# Altium PCB EVT_A.PcbDoc (part 1 of 2) (continued)
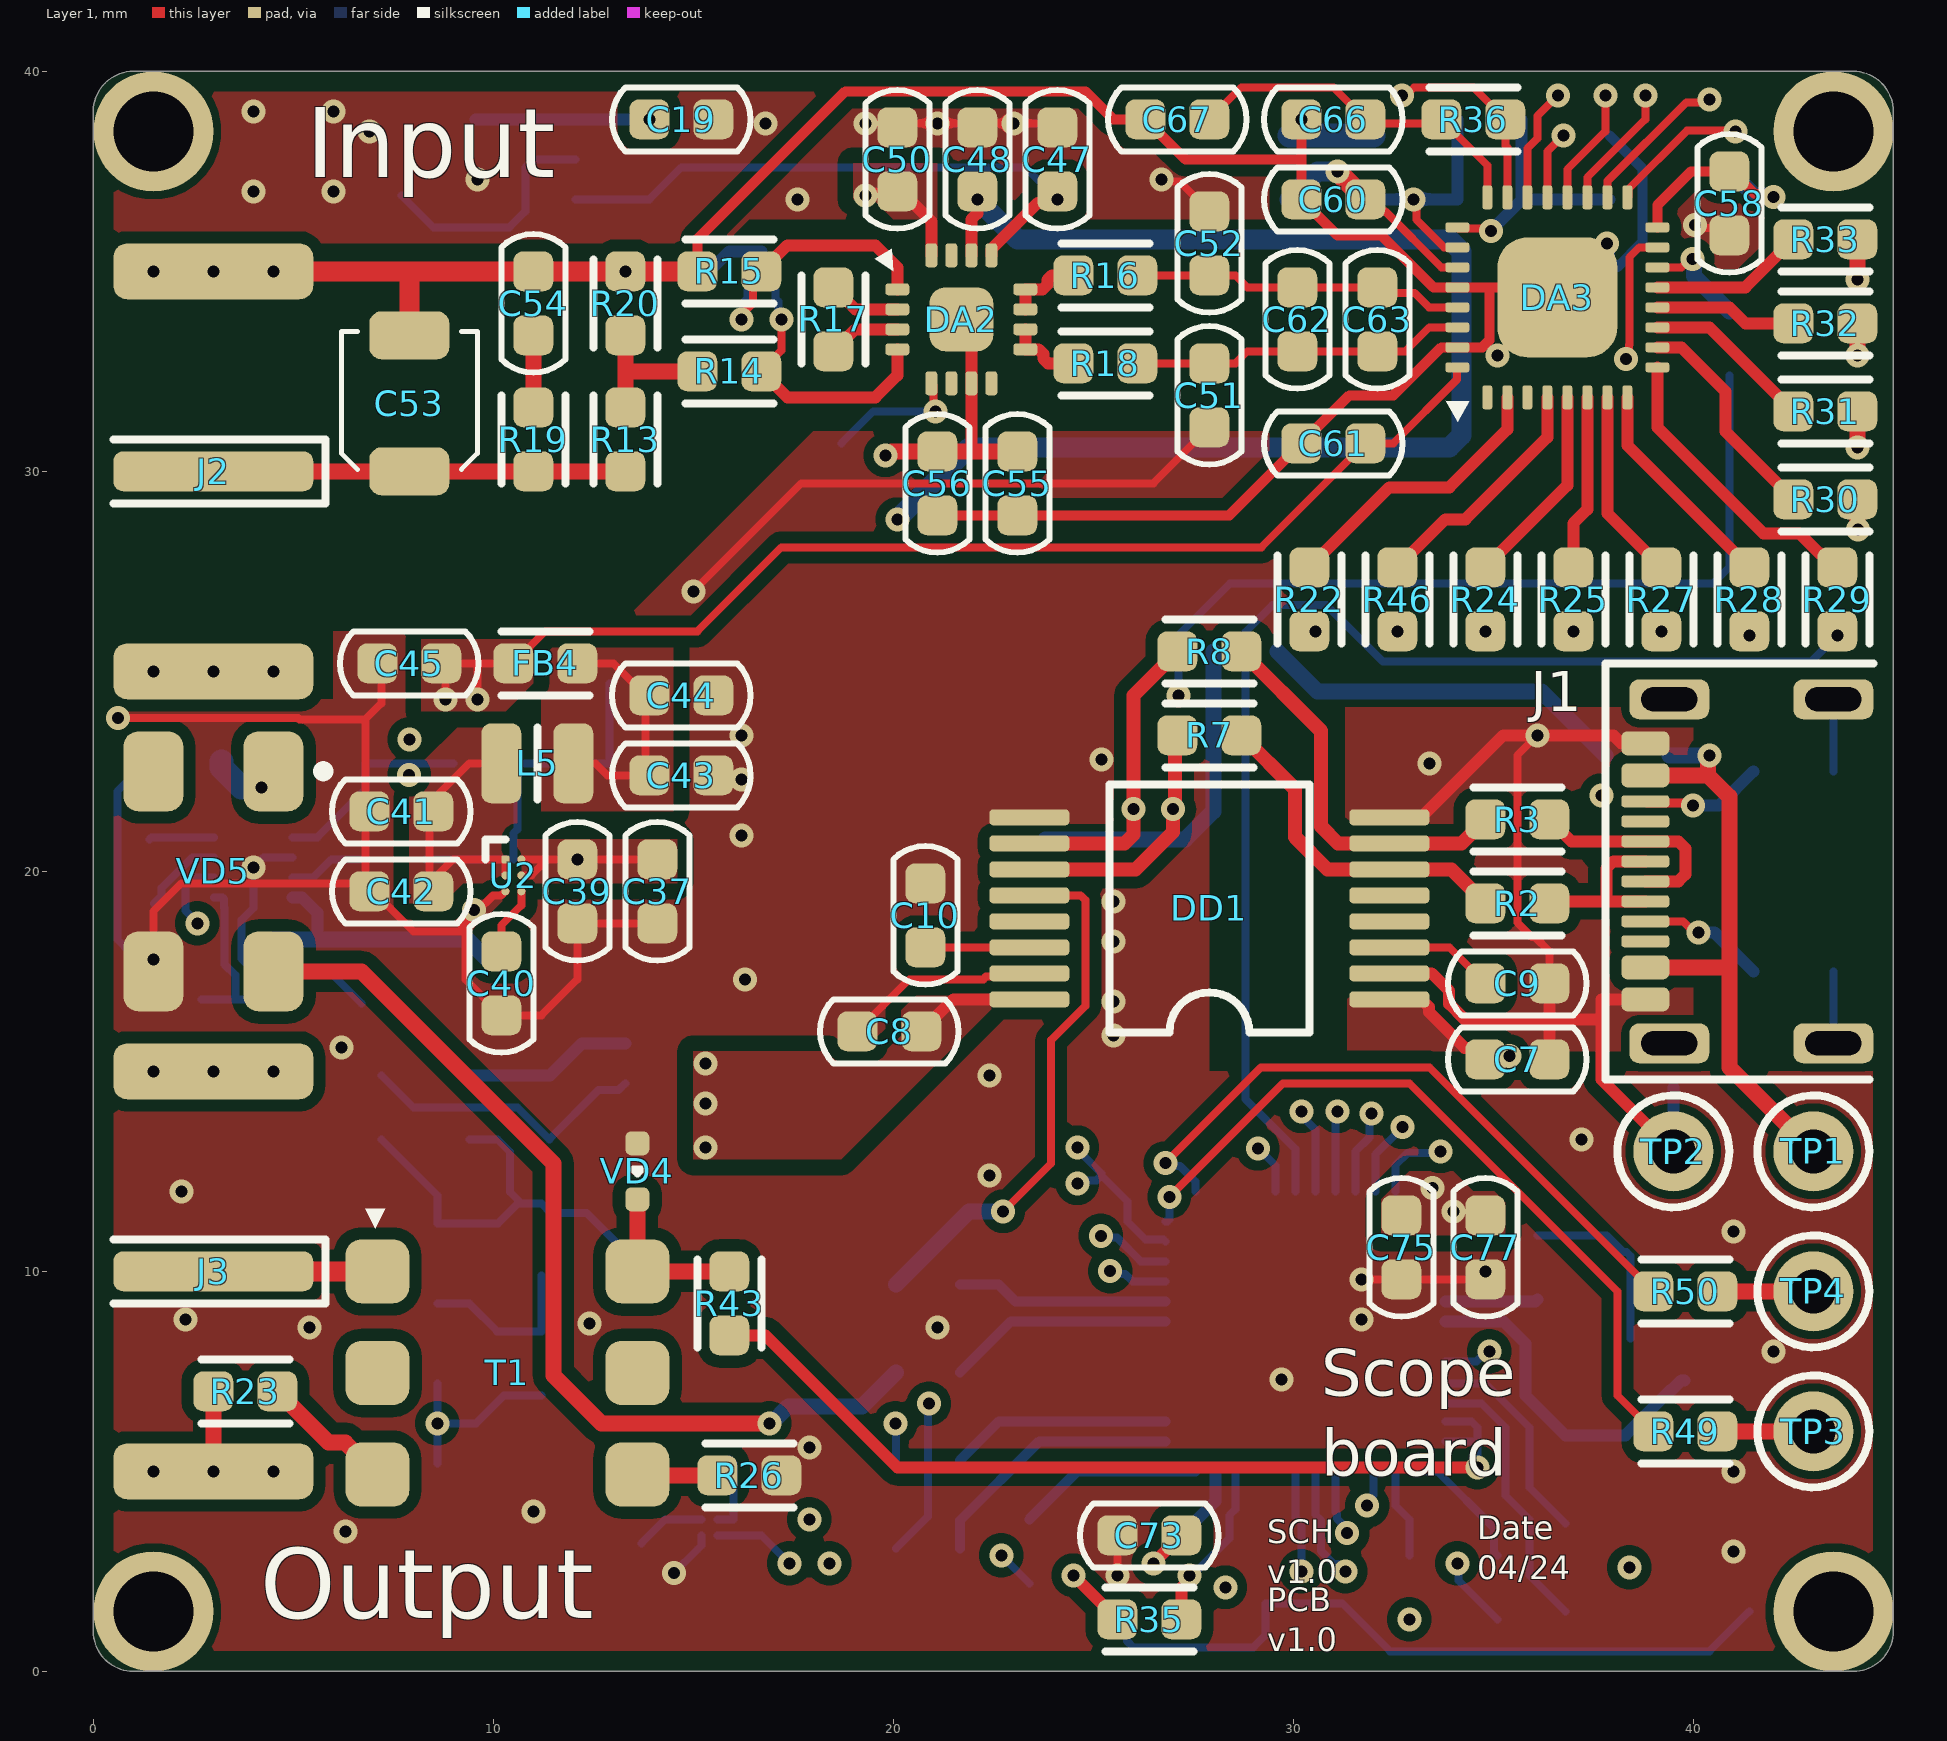
[diagram p0: Layer 1 view]
## Design rules (kind name [scope] priority, off if disabled: settings)
BoardOutlineClearance [All] p1: gap=0.3 ignorepadtopadclearanceinfootprint=FALSE except(0.4: Text-OutlineEdge Text-CavityEdge Text-CutoutEdge Text-SplitBarrior Text-SplitContinuation; 0.5: Poly-OutlineEdge Poly-CavityEdge Poly-CutoutEdge Poly-SplitBarrior Poly-SplitContinuation)
Clearance [All] p1: gap=0.2 ignorepadtopadclearanceinfootprint=FALSE except(0.127: SMDPad-SMDPad; 0.25: Arc-Text Track-Text Via-Fill Via-Poly Via-Region Via-Text Via-Hole; 0.254: Arc-THPad Arc-Via Track-THPad Track-Via Via-Via; 0.3: Arc-Fill Arc-Poly Arc-Region Track-Fill Track-Poly Track-Region SMDPad-Fill SMDPad-Poly SMDPad-Region; 0.35: Arc-Hole Track-Hole; 0.4: Fill-Fill Fill-Poly Fill-Region Poly-Poly Poly-Region Region-Region)
DiffPairsRouting [All] p1: maxlimit=0.4 minlimit=0.3 mostfreqgap=0.35 toplayer_minwidth=0.2 toplayer_maxwidth=0.6 toplayer_prefwidth=0.45 midlayer1_minwidth=0.2 midlayer1_maxwidth=0.6 midlayer1_prefwidth=0.45 midlayer2_minwidth=0.2 midlayer2_maxwidth=0.6 midlayer2_prefwidth=0.45 bottomlayer_minwidth=0.2 bottomlayer_maxwidth=0.6 bottomlayer_prefwidth=0.45 maxuncoupledlength=13
HoleSize [All] p1: absolutevalues=TRUE maxlimit=6.3 minlimit=0.2 maxpercent=80.000 minpercent=20.000
HoleToHoleClearance [All] p1: gap=0.25 allowstackedmicrovias=TRUE
MinimumAnnularRing [All] p1: minimumring=0.13
MinimumSolderMaskSliver [All] p1: minsoldermaskwidth=0.1
PlaneClearance [All] p1: clearance=0.5
PlaneConnect [All] p1: pad.planeconnectstyle=Relief pad.reliefexpansion=0.6 pad.reliefentries=4 pad.reliefconductorwidth=0.5 pad.reliefairgap=0.4 via.planeconnectstyle=Direct via.reliefexpansion=0.6 via.reliefentries=4 via.reliefconductorwidth=0.5 via.reliefairgap=0.4
PolygonConnect [All] p1: connectstyle=Direct reliefconductorwidth=0.5 reliefentries=4 polygonreliefangle="45 Angle" airgapwidth=0.4
RoutingCorners [All] p1: cornerstyle=Round minsetback=1 maxsetback=3
RoutingPriority [All] p1: routingpriority=1
RoutingVias [All] p1: holewidth=0.3 width=0.6 viastyle="Through Hole" minholewidth=0.15 minwidth=0.3 maxholewidth=1 maxwidth=2
SMDEntry [All] p1: side=TRUE corner=TRUE anyangle=FALSE
SilkToSilkClearance [All] p1: silktosilkclearance=0.2
SilkToSolderMaskClearance [IsPad] p1: minsilkscreentomaskgap=0.2 clearancetoexposedcopper=TRUE
SolderMaskExpansion [All] p1: expansion=0.05 istentingtop=FALSE
UnRoutedNet [All] p1: checkbadconnections=TRUE
Width Normal_Tracks [All] p1: maxlimit=1 minlimit=0.15 preferedwidth=0.3
Width Power [All] p2: maxlimit=2 minlimit=0.5 preferedwidth=0.55
19 further rules are at their usual default settings.

## Classes and differential pairs
component class MCU: C70 C71 C72 C73 C74 C75 C76 C77 C78 C79 DD5 G1 R41 R42 R43 R44 R45 R46 R47 R48 R49 R50 R51 TP3 TP4 VD5
component class Analog: C46 C47 C48 C49 C50 C51 C52 C53 C54 C55 C56 C57 C58 C59 C60 C61 C62 C63 C64 C65 C66 C67 C68 C69 DA2 DA3 J2 J3 R13 R14 R15 R16 R17 R18 R19 R20 R21 R22 R23 R24 R25 R26 R27 R28 R29 R30 R31 R32 R33 R34 R35 R36 R37 R38 R39 R40 T1 VD3 VD4
component class Power: C1 C2 C3 C4 C5 C6 C7 C8 C9 C10 C11 C12 C13 C14 C15 C16 C17 C18 C19 C20 C21 C22 C23 C24 C25 C26 C27 C28 C29 C30 C31 C32 C33 C34 C35 C36 C37 C38 C39 C40 C41 C42 C43 C44 C45 DA1 DD1 DD2 DD3 DD4 F1 FB1 FB2 FB3 FB4 J1 L1 L2 L3 L4 L5 R1 R2 R3 R4 R5 R6 R7 R8 R9 R10 R11 R12 TP1 TP2 U1 U2 VD2
differential pair UD: +UD_P -UD_N
differential pair Out: +Out_P -Out_N
differential pair Signal: +Signal_P -Signal_N
differential pair USB: +USB_P -USB_N

## Components (designator, comment, footprint, x,y, rotation, side; value= is the part's Value field where it differs from the comment)
C1 "4.7uF" C0603 36,21.9 r90 bottom
C2 "0.1u" C0603 38.6,19.6 r0 bottom
C3 "4.7uF" C0603 21.4,18.7 r270 bottom
C4 "0.1u" C0603 21.4,22.5 r90 bottom
C5 "2.2n" C0603 20.5,15.9 r0 bottom
C6 "390p" C0603 18.8,14 r0 bottom
C7 "0.1u" C0603 35.6,15.3 r0 top
C8 "0.1u" C0603 19.9,16 r180 top
C9 "0.1u" C0603 35.6,17.2 r0 top
C10 "0.1u" C0603 20.8,18.9 r270 top
C11 "0.1u" C0603 43.5,21.7 r270 bottom
C12 "4.7uF" C0603 18.8,11.9 r0 bottom
C13 "0.1u" C0603 15.1,9.3 r180 bottom
C14 "0.1u" C0603 7.2,14.1 r90 bottom
C15 "4.7uF" C0603 7.8,11.2 r180 bottom
C16 "2.2n" C0603 7.8,9.2 r180 bottom
C17 "390p" C0603 7.8,7.2 r180 bottom
C18 "4.7uF" C0603 7.8,5.2 r180 bottom
C19 "4.7uF" C0603 14.7,38.8 r0 top
C20 "0.1u" C0603 14.7,38.8 r0 bottom
C21 "1u" C0603 7.7,37.7 r270 bottom
C22 "1u" C0603 14.7,36.8 r180 bottom
C23 "4.7uF" C0603 15.1,5.3 r180 bottom
C24 "0.1u" C0603 15.1,7.3 r180 bottom
C25 "1u" C0603 13.7,2.4 r90 bottom
C26 "4.7uF" C0603 17.1,1.7 r180 bottom
C27 "0.1u" C0603 17.9,4.8 r90 bottom
C28 "4.7uF" C0603 6,22.7 r180 bottom
C29 "0.1u" C0603 9.8,22.7 r0 bottom
C30 "1u" C0603 1.4,19.8 r270 bottom
C31 "4.7uF" C0603 7.5,20.3 r0 bottom
C32 "0.1u" C0603 8.7,17.5 r270 bottom
C33 "4.7uF" C0603 6.7,17.5 r270 bottom
C34 "2.2n" C0603 14.8,17.3 r0 bottom
C35 "390p" C0603 13.7,24.7 r180 bottom
C36 "4.7uF" C0603 13.7,22.7 r180 bottom
C37 "4.7uF" C0603 14.1,19.5 r270 top
C38 "4.7uF" C0603 11.3,20.3 r180 bottom
C39 "0.1u" C0603 12.1,19.5 r270 top
C40 "1u" C0603 10.2,17.2 r90 top
C41 "4.7uF" C0603 7.7,21.5 r180 top
C42 "0.1u" C0603 7.7,19.5 r180 top
C43 "4.7uF" C0603 14.7,22.4 r0 top
C44 "0.1u" C0603 14.7,24.4 r0 top
C45 "390p" C0603 7.9,25.2 r180 top
C46 "1u" C0603 24.1,37.6 r270 bottom
C47 "0.1u" C0603 24.1,37.8 r270 top
C48 "0.1u" C0603 22.1,37.8 r270 top
C49 "1u" C0603 22.1,37.6 r270 bottom
C50 "0.1u" C0603 20.1,37.8 r270 top
C51 "10p" C0603 27.9,31.9 r270 top
C52 "10p" C0603 27.9,35.7 r90 top
C53 "JR100" "Trimmer Capacitors" 7.9,31.7 r90 top value="2 pF to 10 pF"
C54 "*" C0603 11,34.2 r90 top
C55 "0.1u" C0603 23.1,29.7 r90 top
C56 "1u" C0603 21.1,29.7 r90 top
C57 "1u" C0603 40.9,36.7 r90 bottom
C58 "0.1u" C0603 40.9,36.7 r90 top
C59 "1u" C0603 29.9,37.6 r270 bottom
C60 "0.1u" C0603 31,36.8 r0 top
C61 "0.1u" C0603 31,30.7 r0 top
C62 "10p" C0603 30.1,33.8 r270 top
C63 "10p" C0603 32.1,33.8 r270 top
C64 "4.7uF" C0603 34.9,38.8 r0 bottom
C65 "0.1u" C0603 34.9,36.8 r180 bottom
C66 "0.1u" C0603 31,38.8 r0 top
C67 "4.7uF" C0603 27.1,38.8 r180 top
C68 "0.1u" C0603 32,37.6 r270 bottom
C69 "0.1u" C0603 37.9,37.6 r270 bottom
C70 "10p" C0603 39.135,10.477 r0 bottom
C71 "10p" C0603 36.8,6.7 r90 bottom
C72 "0.1u" C0603 2.3,22.7 r180 bottom
C73 "4.7uF" C0603 26.4,3.4 r180 top
C74 "0.1u" C0603 26.4,3.4 r180 bottom
C75 "0.1u" C0603 32.7,10.6 r270 top
C76 "0.1u" C0603 24.4,12.4 r180 bottom
C77 "0.1u" C0603 34.8,10.6 r270 top
C78 "4.7uF" C0603 26.4,1.4 r180 bottom
C79 "0.1u" C0603 29.3,2.5 r270 bottom
DA1 "R05CTE05S-R" SOIC-16 28.8,18.895 r180 bottom locked value="1 W, 5V"
DA2 "INA851RGTR" VQFN_16_INA851 21.7,33.8 r0 top value="3.2 nV/vHz. +-40V"
DA3 "AD9245BCPZ-20" LFCSP-32_AD9245 36.6,34.35 r90 top locked value="14 bit,  20 MS/s"
DD1 "ISOUSB111DWXR" SSOP-16 27.9,19.075 r180 top locked value="USB 2.0"
DD2 "REF35160QDBVR" SOT-23-6 10.8,37.8 r90 bottom value="1.6 V 0.05 %  12 PPM / C"
DD3 "AP3012KTR-G1" SOT-23-5 14.7,14.7 r90 bottom value="16 V"
DD4 "LM27761DSGT" WSON-8 4,20.1 r180 bottom value="- 5 V to - 1.5 V"
DD5 "STM32G431CBU3" UFQFPN-48 30.3,8.5 r180 bottom locked value="170 MHz"
F1 "MFU0603FF03150P500" F0603 38.6,22.9 r180 bottom value="3.15 A"
FB1 "MPZ1608S102ATA00" L0603 18.9,18 r0 bottom value=1k
FB2 "MPZ1608S102ATA00" L0603 11.2,7.7 r90 bottom value=1k
FB3 "MPZ1608S102ATA00" L0603 14.3,19.8 r270 bottom value=1k
FB4 "MPZ1608S102ATA00" L0603 11.3,25.2 r0 top value=1k
G1 "ECS-320-8-37B2-7KM-TR" "2 mm x 1.6 mm" 39.1,7.8 r0 bottom value="32 MHz,  10 PPM"
J1 "TYPEC-309-ACP16L65" 217179-0001 42,20 r90 top value="USB 2.0"
J2 "112640" 112640 3,30 r0 top locked value="50 Ohms"
J3 "112640" 112640 3,10 r0 top locked value="50 Ohms"
L1 "AOTA-B252010S100MT" "0907 (2520)" 19.1,20.8 r270 bottom value="10 uH"
L2 "AOTA-B252010S100MT" "0907 (2520)" 15.2,11.5 r180 bottom value="10 uH"
L3 "AOTA-B252010S100MT" "0907 (2520)" 11.2,10.8 r270 bottom value="10 uH"
L4 "AOTA-B252010S100MT" "0907 (2520)" 11.3,17.8 r0 bottom value="10 uH"
L5 "AOTA-B252010S100MT" "0907 (2520)" 11.1,22.7 r0 top value="10 uH"
R1 "0R" R0603 28.8,25.5 r180 bottom
R2 "22 R" R0603 35.6,19.2 r180 top
R3 "22 R" R0603 35.6,21.3 r180 top
R4 "5k1" R0603 41.5,21.7 r270 bottom
R5 "5k1" R0603 41.5,18.3 r90 bottom
R6 "1M" R0603 43.5,18.3 r90 bottom
R7 "0R" R0603 27.9,23.4 r180 top
R8 "0R" R0603 27.9,25.5 r180 top
R9 "20k" R0603 9.4,14.1 r270 bottom
R10 "10k" R0603 11.4,14.1 r90 bottom
R11 "20k" R0603 4.5,17.5 r90 bottom
R12 "10k" R0603 1.9,16.8 r0 bottom
R13 "0R" R0603 13.3,30.8 r90 top
R14 "1.5k" R0603 15.9,32.5 r0 top
R15 "1.5k" R0603 15.9,35 r0 top
R16 "22 R" R0603 25.3,34.9 r0 top
R17 "1.5k" R0603 18.5,33.8 r90 top
R18 "22 R" R0603 25.3,32.7 r0 top
R19 "*" R0603 11,30.8 r270 top
R20 "1M" R0603 13.3,34.2 r270 top
R21 "0R" R0603 38,34.2 r270 bottom
R22 "22 R" R0603 30.4,26.8 r270 top
R23 "10k" R0603 3.8,7 r180 top
R24 "22 R" R0603 34.8,26.8 r270 top
R25 "22 R" R0603 37,26.8 r270 top
R26 "100R" R0603 16.4,4.9 r0 top
R27 "22 R" R0603 39.2,26.8 r270 top
R28 "22 R" R0603 41.4,26.8 r270 top
R29 "22 R" R0603 43.6,26.8 r270 top
R30 "22 R" R0603 43.3,29.3 r0 top
R31 "22 R" R0603 43.3,31.5 r0 top
R32 "22 R" R0603 43.3,33.7 r0 top
R33 "22 R" R0603 43.3,35.8 r0 top
R34 "22 R" R0603 40.9,33.2 r270 bottom
R35 "22 R" R0603 26.4,1.3 r0 top
R36 "10k" R0603 34.5,38.8 r0 top
R37 "22 R" R0603 23.4,3 r90 bottom
R38 "22 R" R0603 20.869,3.075 r0 bottom
R39 "22 R" R0603 20.869,5.275 r0 bottom
R40 "10k" R0603 40.6,3.7 r180 bottom
R41 "20k" R0603 37.7,3.7 r0 bottom
R42 "5k1" R0603 37.7,1.5 r180 bottom
R43 "22 R" R0603 15.9,9.2 r270 top
R44 "22 R" R0603 35.1,2.1 r90 bottom
R45 "22 R" R0603 32.9,2.1 r90 bottom
R46 "22 R" R0603 32.6,26.8 r270 top
R47 "22 R" R0603 20.869,7.475 r0 bottom
R48 "100R" R0603 20.869,9.675 r0 bottom
R49 "22 R" R0603 39.8,6 r180 top
R50 "22 R" R0603 39.8,9.5 r180 top
R51 "22 R" R0603 36.1,10.1 r270 bottom
T1 "PWB1010LC" PWB1010 10.35,7.46 r0 top value="3.5 kHz to 125 MHz"
TP1 "5117" 36-5117-ND 43,13 r90 top value=36-5117
TP2 "5117" 36-5117-ND 39.5,13 r0 top value=36-5117
TP3 "5117" 36-5117-ND 43,6 r90 top value=36-5117
TP4 "5117" 36-5117-ND 43,9.5 r90 top value=36-5117
U1 "TCR15AG33,LF" WCSP-6F-6 15.6,3.6 r90 bottom value="3V3, 1.5A"
U2 "TCR15AG33,LF" WCSP-6F-6 10.5,19.9 r0 top value="3V3, 1.5A"
VD2 "NSR05T40XV2T5G" SOD-523-2 13.169,11.375 r270 bottom value="500 mA"
VD3 "TPD2EUSB30ADRTR" SOT-9X3 16.7,35 r180 bottom value="2 Channel, 4.5 V"
VD4 "NSR05T40XV2T5G" SOD-523-2 13.6,12.55 r270 top value="500 mA"
VD5 "WS2812C" SMD5050 3,20 r270 top locked value=RGB

## Footprints (in the part's own frame and the unit in brackets; to place one, negate y for a bottom-side part, rotate by r counter-clockwise, add the part's x,y. Pads: shape width x height; smd on the part's side, far side on the other; paste and mask are expansions set on the pad)
"2 mm x 1.6 mm" [mm] "ECS-200-10-37B-CKY-TR"
  rrect50% 0.85x0.75 smd mask+0.051: 1(-0.675,-0.525) 2(0.675,-0.525) 3(0.675,0.525) 4(-0.675,0.525)
  silkscreen extent -1.78,-1.53 -1.25,-1, body extent -1,-0.8 1,0.8, height 0.7
36-5117-ND [mm] "Test Point"
  round 2 hole 1.1 mask+0.105: 1(0,0)
  silkscreen extent -1.4,-1.4 1.4,1.4, body extent -1.27,-1.27 1.27,1.27, height 4.99
"0907 (2520)" [mm]
  rrect50% 1x2 smd mask+0.051: 1(-0.9,0) 2(0.9,0)
  silkscreen extent 0,-0.9 0,0.9, body extent -1.25,-1.25 1.25,1.25, height 0.63
112640 [mm]
  rrect50% 5x1 smd mask+0.051: 1(0,0)
  rrect50% 5x1.4 smd mask+0.051: 2(0,-5) 2(0,5)
  rrect50% 5x2 smd far side mask+0.051: 2(0,-4.6) 2(0,4.7)
  silkscreen extent -2.5,-0.8 2.8,0.8, body extent -15.49,-5.5 1.48,5.5, height 5.9
217179-0001 [mm]
  rrect50% 1x2 hole 0.6 slot 1.4 at 90 deg mask+0.052: 0(-4.3,-1.5) 0(-4.3,2.6) 0(4.3,-1.5) 0(4.3,2.6)
  rrect50% 0.6x1.2 smd mask+0.052: A1(-3.2,3.2) A4(-2.4,3.2) A9(2.4,3.2) A12(3.2,3.2)
  rrect50% 0.3x1.2 smd mask+0.052: A5(-1.25,3.2) A6(-0.25,3.2) A7(0.25,3.2) A8(1.25,3.2) B5(1.75,3.2) B6(0.75,3.2) B7(-0.75,3.2) B8(-1.75,3.2)
  silkscreen extent -5.2,-2.5 5.2,4.2, body extent -4.47,-3.68 4.47,3.08, height 3.17
C0603 [mm]
  rrect50% 1x1 smd mask+0.051: 1(-0.8,0) 2(0.8,0)
  silkscreen extent -1.73,-0.8 1.73,0.8, body extent -1.3,-0.5 1.3,0.5, height 0.86
F0603 [mm]
  rrect50% 1x1 smd mask+0.051: 1(-0.8,0) 2(0.8,0)
  body extent -1.3,-0.5 1.3,0.5, height 0.86
L0603 [mm]
  rrect50% 1x1 smd mask+0.051: 1(-0.8,0) 2(0.8,0)
  silkscreen extent -1.1,-0.8 1.1,0.8, body extent -0.8,-0.4 0.8,0.4, height 0.37
LFCSP-32_AD9245 [mm]
  rrect50% 0.6x0.25 smd mask+0.051: 1(-2.5,1.75) 2(-2.5,1.25) 3(-2.5,0.75) 4(-2.5,0.25) 5(-2.5,-0.25) 6(-2.5,-0.75) 7(-2.5,-1.25) 8(-2.5,-1.75) 17(2.5,-1.75) 18(2.5,-1.25) 19(2.5,-0.75) 20(2.5,-0.25) 21(2.5,0.25) 22(2.5,0.75) 23(2.5,1.25) 24(2.5,1.75)
  rrect50% 0.25x0.6 smd mask+0.051: 9(-1.75,-2.5) 10(-1.25,-2.5) 11(-0.75,-2.5) 12(-0.25,-2.5) 13(0.25,-2.5) 14(0.75,-2.5) 15(1.25,-2.5) 16(1.75,-2.5) 25(1.75,2.5) 26(1.25,2.5) 27(0.75,2.5) 28(0.25,2.5) 29(-0.25,2.5) 30(-0.75,2.5) 31(-1.25,2.5) 32(-1.75,2.5)
  rrect50% 3x3 smd mask+0.051: 28(0,0)
  silkscreen extent -3.11,2.2 -2.59,2.78, body extent -2.51,-2.51 2.51,2.51, height 1.8
PWB1010 [mm]
  rrect50% 1.6x1.6 smd mask+0.051: 1(-3.25,2.54) 2(-3.25,0) 3(-3.25,-2.54) 4(3.25,-2.54) 5(3.25,0) 6(3.25,2.54)
  silkscreen extent -3.55,3.6 -3.05,4.1, body extent -3.6,-3.48 3.6,3.48, height 4.85
R0603 [mm]
  rrect50% 1x1 smd mask+0.051: 1(-0.8,0) 2(0.8,0)
  silkscreen extent -1.1,-0.8 1.1,0.8, body extent -0.8,-0.4 0.8,0.4, height 0.37
SMD5050 [mm]
  rrect50% 2x1.5 smd mask+0.051: 1(-2.5,1.5) 2(-2.5,-1.5) 3(2.5,-1.5) 4(2.5,1.5)
  silkscreen extent -2.75,2.5 -2.25,3, body extent -2.7,-2.5 2.7,2.5, height 1.55
SOD-523-2 [mm]
  rrect50% 0.6x0.6 smd mask+0.051: 1(-0.65,0) 2(0.75,0)
  silkscreen extent 0,-0.1 0.1,0.1, body extent -0.8,-0.4 0.8,0.4, height 0.59
SOIC-16 [mm]
  rrect50% 2x0.6 smd mask+0.051: 1(-5,4.445) 2(-5,3.175) 3(-5,1.905) 4(-5,0.635) 5(-5,-0.635) 6(-5,-1.905) 7(-5,-3.175) 8(-5,-4.445) 9(5,-4.445) 10(5,-3.175) 11(5,-1.905) 12(5,-0.635) 13(5,0.635) 14(5,1.905) 15(5,3.175) 16(5,4.445)
  silkscreen extent -5.25,5 -4.75,5.5, body extent -5.32,-5.25 5.32,5.25, height 2.72
SOT-9X3 [mm]
  rrect50% 0.4x0.4 smd mask+0.051: 1(-0.35,-0.475) 2(0.35,-0.475) 3(0,0.5)
  body extent -0.5,-0.5 0.5,0.5, height 0.5
SOT-23-5 [mm]
  rrect50% 0.6x1.2 smd mask+0.051: 1(-1,-1.4) 2(0,-1.4) 3(1,-1.4) 4(1,1.4) 5(-1,1.4)
  silkscreen extent -1.25,-0.4 1.25,0.4, body extent -1.5,-1.25 1.5,1.25, height 1.05
SOT-23-6 [mm]
  rrect50% 0.6x1 smd mask+0.051: 1(-1,-1.25) 2(0,-1.25) 3(1,-1.25) 4(1,1.25) 5(0,1.25) 6(-1,1.25)
  silkscreen extent -1.25,-0.4 1.25,0.4, body extent -1.4,-1.2 1.4,1.23, height 1.09
SSOP-16 [mm]
  rrect50% 2x0.4 smd mask+0.051: 1(-4.5,2.275) 2(-4.5,1.625) 3(-4.5,0.975) 4(-4.5,0.325) 5(-4.5,-0.325) 6(-4.5,-0.975) 7(-4.5,-1.625) 8(-4.5,-2.275) 9(4.5,-2.275) 10(4.5,-1.625) 11(4.5,-0.975) 12(4.5,-0.325) 13(4.5,0.325) 14(4.5,0.975) 15(4.5,1.625) 16(4.5,2.275)
  silkscreen extent -2.5,-3.1 2.5,3.1, body extent -3.95,-3.16 3.95,3.16, height 2.09
"Trimmer Capacitors" [mm]
  rrect50% 1.2x2 smd mask+0.051: 1(-1.7,0) 2(1.7,0)
  silkscreen extent -1.65,-1.7 1.8,1.7, body extent -2.25,-1.6 2.25,1.6, height 1.5
UFQFPN-48 [mm]
  rrect50% 0.8x0.3 smd mask+0.051: 1(-3.5,2.75) 2(-3.5,2.25) 3(-3.5,1.75) 4(-3.5,1.25) 5(-3.5,0.75) 6(-3.5,0.25) 7(-3.5,-0.25) 8(-3.5,-0.75) 9(-3.5,-1.25) 10(-3.5,-1.75) 11(-3.5,-2.25) 12(-3.5,-2.75) 25(3.5,-2.75) 26(3.5,-2.25) 27(3.5,-1.75) 28(3.5,-1.25) 29(3.5,-0.75) 30(3.5,-0.25) 31(3.5,0.25) 32(3.5,0.75) 33(3.5,1.25) 34(3.5,1.75) 35(3.5,2.25) 36(3.5,2.75)
  rrect50% 0.3x0.8 smd mask+0.051: 13(-2.75,-3.5) 14(-2.25,-3.5) 15(-1.75,-3.5) 16(-1.25,-3.5) 17(-0.75,-3.5) 18(-0.25,-3.5) 19(0.25,-3.5) 20(0.75,-3.5) 21(1.25,-3.5) 22(1.75,-3.5) 23(2.25,-3.5) 24(2.75,-3.5) 37(2.75,3.5) 38(2.25,3.5) 39(1.75,3.5) 40(1.25,3.5) 41(0.75,3.5) 42(0.25,3.5) 43(-0.25,3.5) 44(-0.75,3.5) 45(-1.25,3.5) 46(-1.75,3.5) 47(-2.25,3.5) 48(-2.75,3.5)
  rrect50% 5.4x5.4 smd mask+0.051: 49(0,0)
  silkscreen extent -4.21,3.2 -3.69,3.78, body extent -3.56,-3.56 3.56,3.56, height 0.61
VQFN_16_INA851 [mm]
  rrect50% 0.6x0.3 smd mask+0.051: 1(-1.6,0.75) 2(-1.6,0.25) 3(-1.6,-0.25) 4(-1.6,-0.75) 9(1.6,-0.75) 10(1.6,-0.25) 11(1.6,0.25) 12(1.6,0.75)
  rrect50% 0.3x0.6 smd mask+0.051: 5(-0.75,-1.6) 6(-0.25,-1.6) 7(0.25,-1.6) 8(0.75,-1.6) 13(0.75,1.6) 14(0.25,1.6) 15(-0.25,1.6) 16(-0.75,1.6)
  rrect50% 1.6x1.6 smd mask+0.051: 7(0,0)
  silkscreen extent -2.17,1.2 -1.7,1.76, body extent -1.75,-1.75 1.75,1.75, height 1
WCSP-6F-6 [mm]
  rrect50% 0.2x0.2 smd mask+0.051: 1A(-0.2,0.4)
  round 0.2 smd mask+0.051: 1B(-0.2,0) 1C(-0.2,-0.4) 2A(0.2,0.4) 2B(0.2,0) 2C(0.2,-0.4)
  silkscreen extent -0.7,0.4 -0.2,0.9, body extent -0.4,-0.6 0.4,0.6, height 0.21
WSON-8 [mm]
  rrect25% 0.74x0.28 smd mask+0.051: 1(-0.985,0.75) 2(-0.985,0.25) 3(-0.985,-0.25) 4(-0.985,-0.75) 5(0.985,-0.75) 6(0.985,-0.25) 7(0.985,0.25) 8(0.985,0.75)
  rrect50% 0.9x1.6 smd paste-2 mask+0.051: 2(0,0)
  silkscreen extent -1.2,1.1 -0.8,1.3, body extent -1,-1 1,1, height 0.8
